# Altium PCB BowieGlove.PcbDoc (part 1 of 2)
Units mil, origin at the board's own origin, x right, y up, seen from the top; angles counter-clockwise.
Board outline 2716.54 x 2322.83 mil, 4 copper layers (Top Layer, Int1 (GND), Int2 (PWR), Bottom Layer), stack 53.912 mil thick; 103 components, 61 nets, 398 pads, 190 vias.
Unrouted connection lines stored in the file: 124.
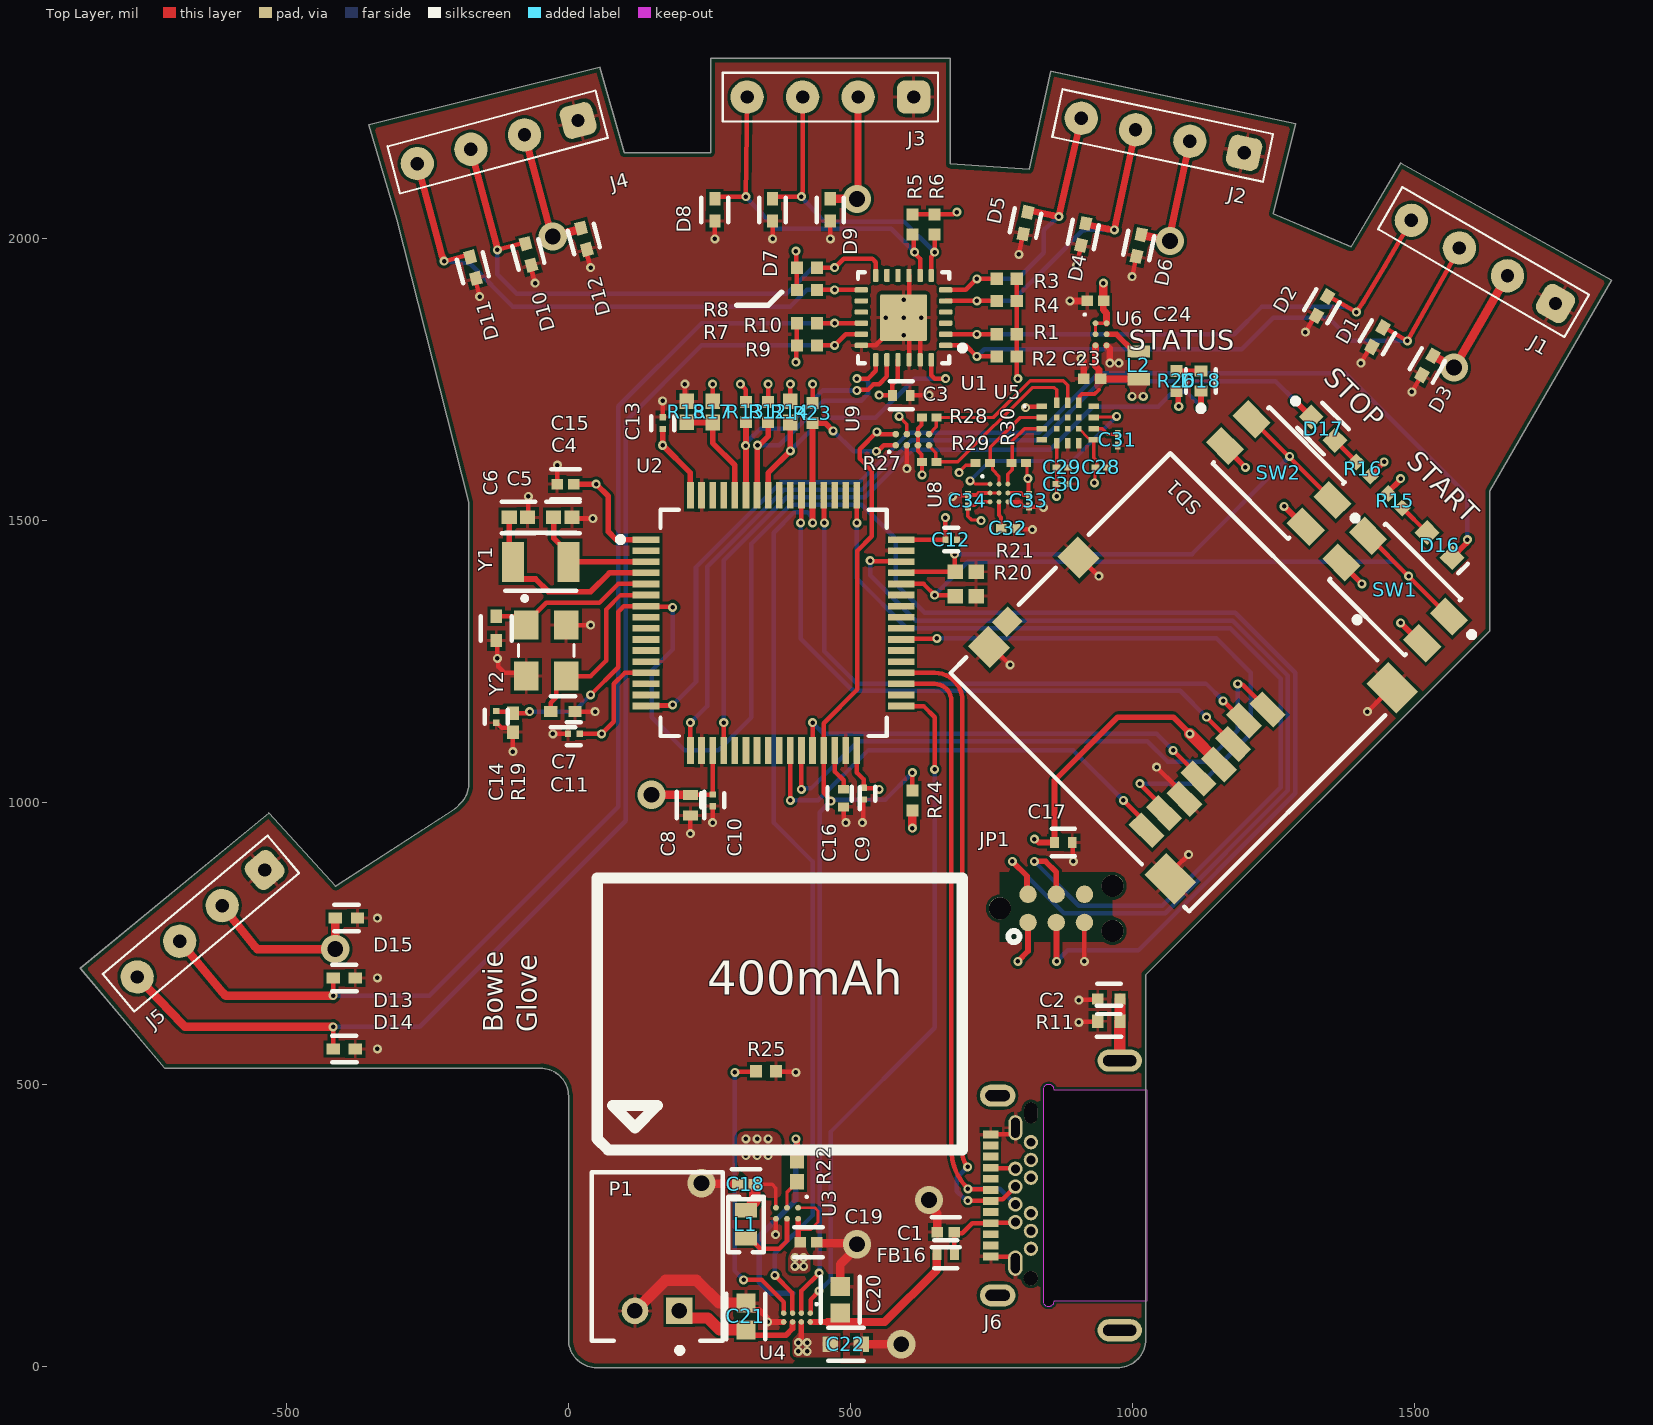
[diagram p0: Top Layer view]
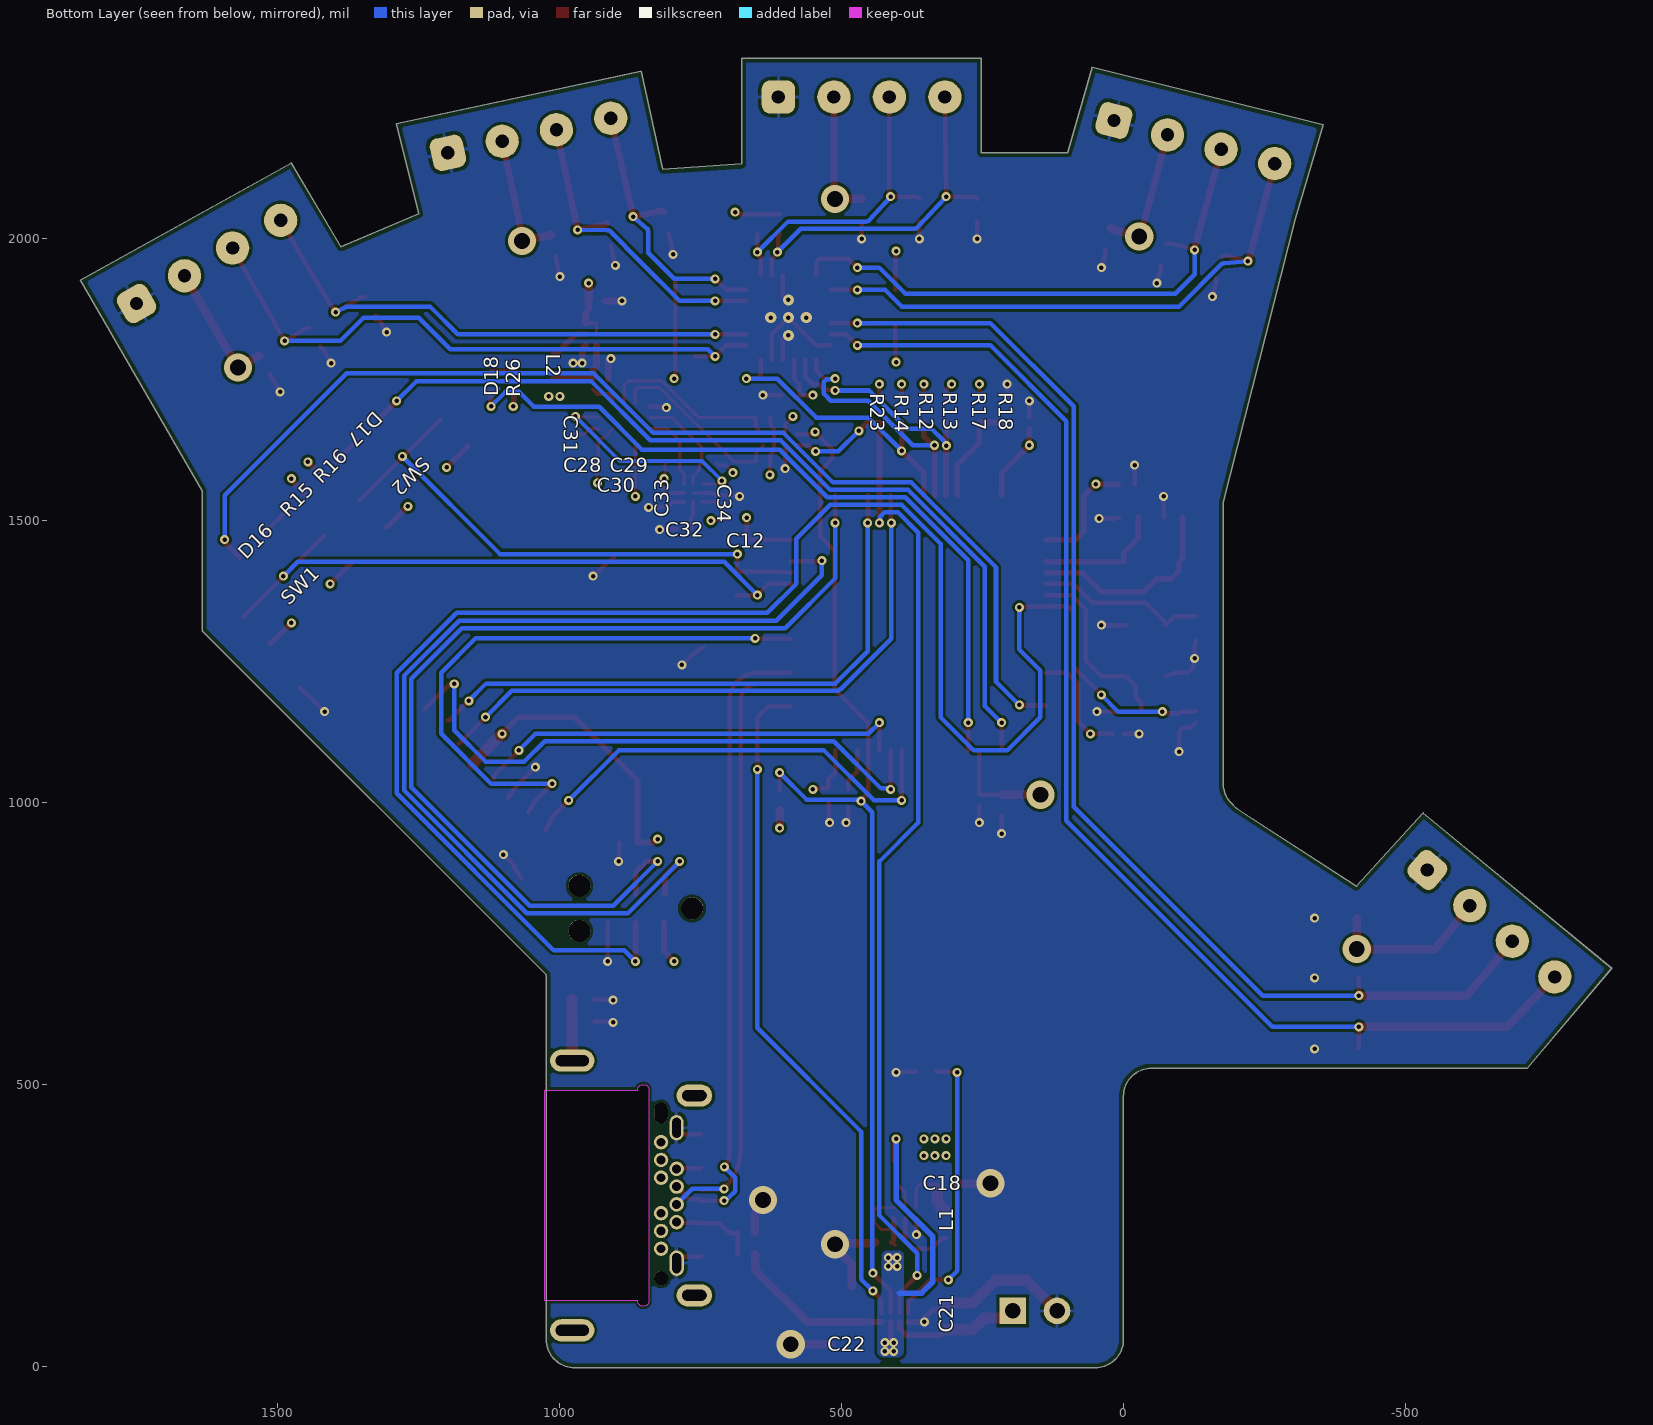
[diagram p1: Bottom Layer view, seen from below]
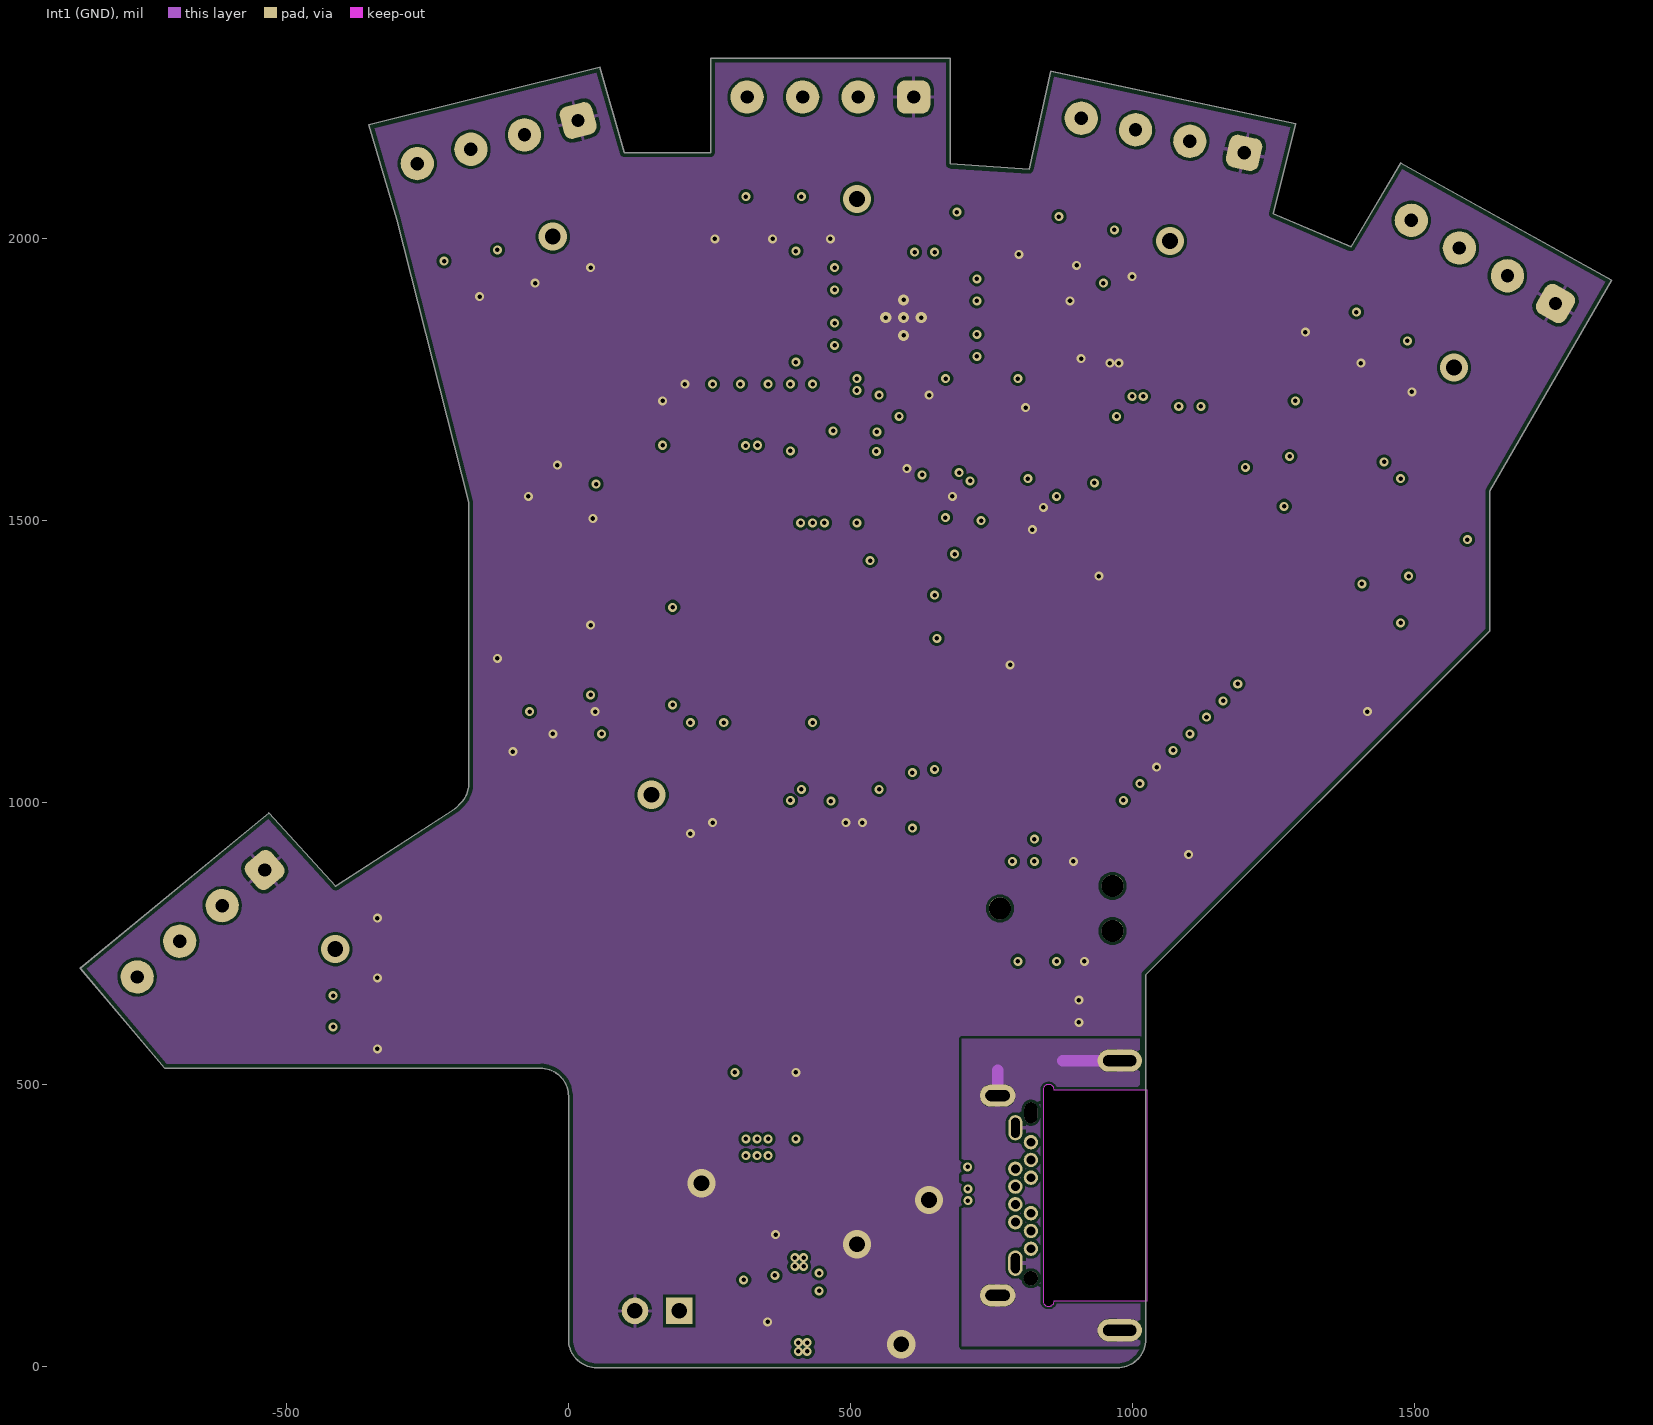
[diagram p2: Int1 (GND)]
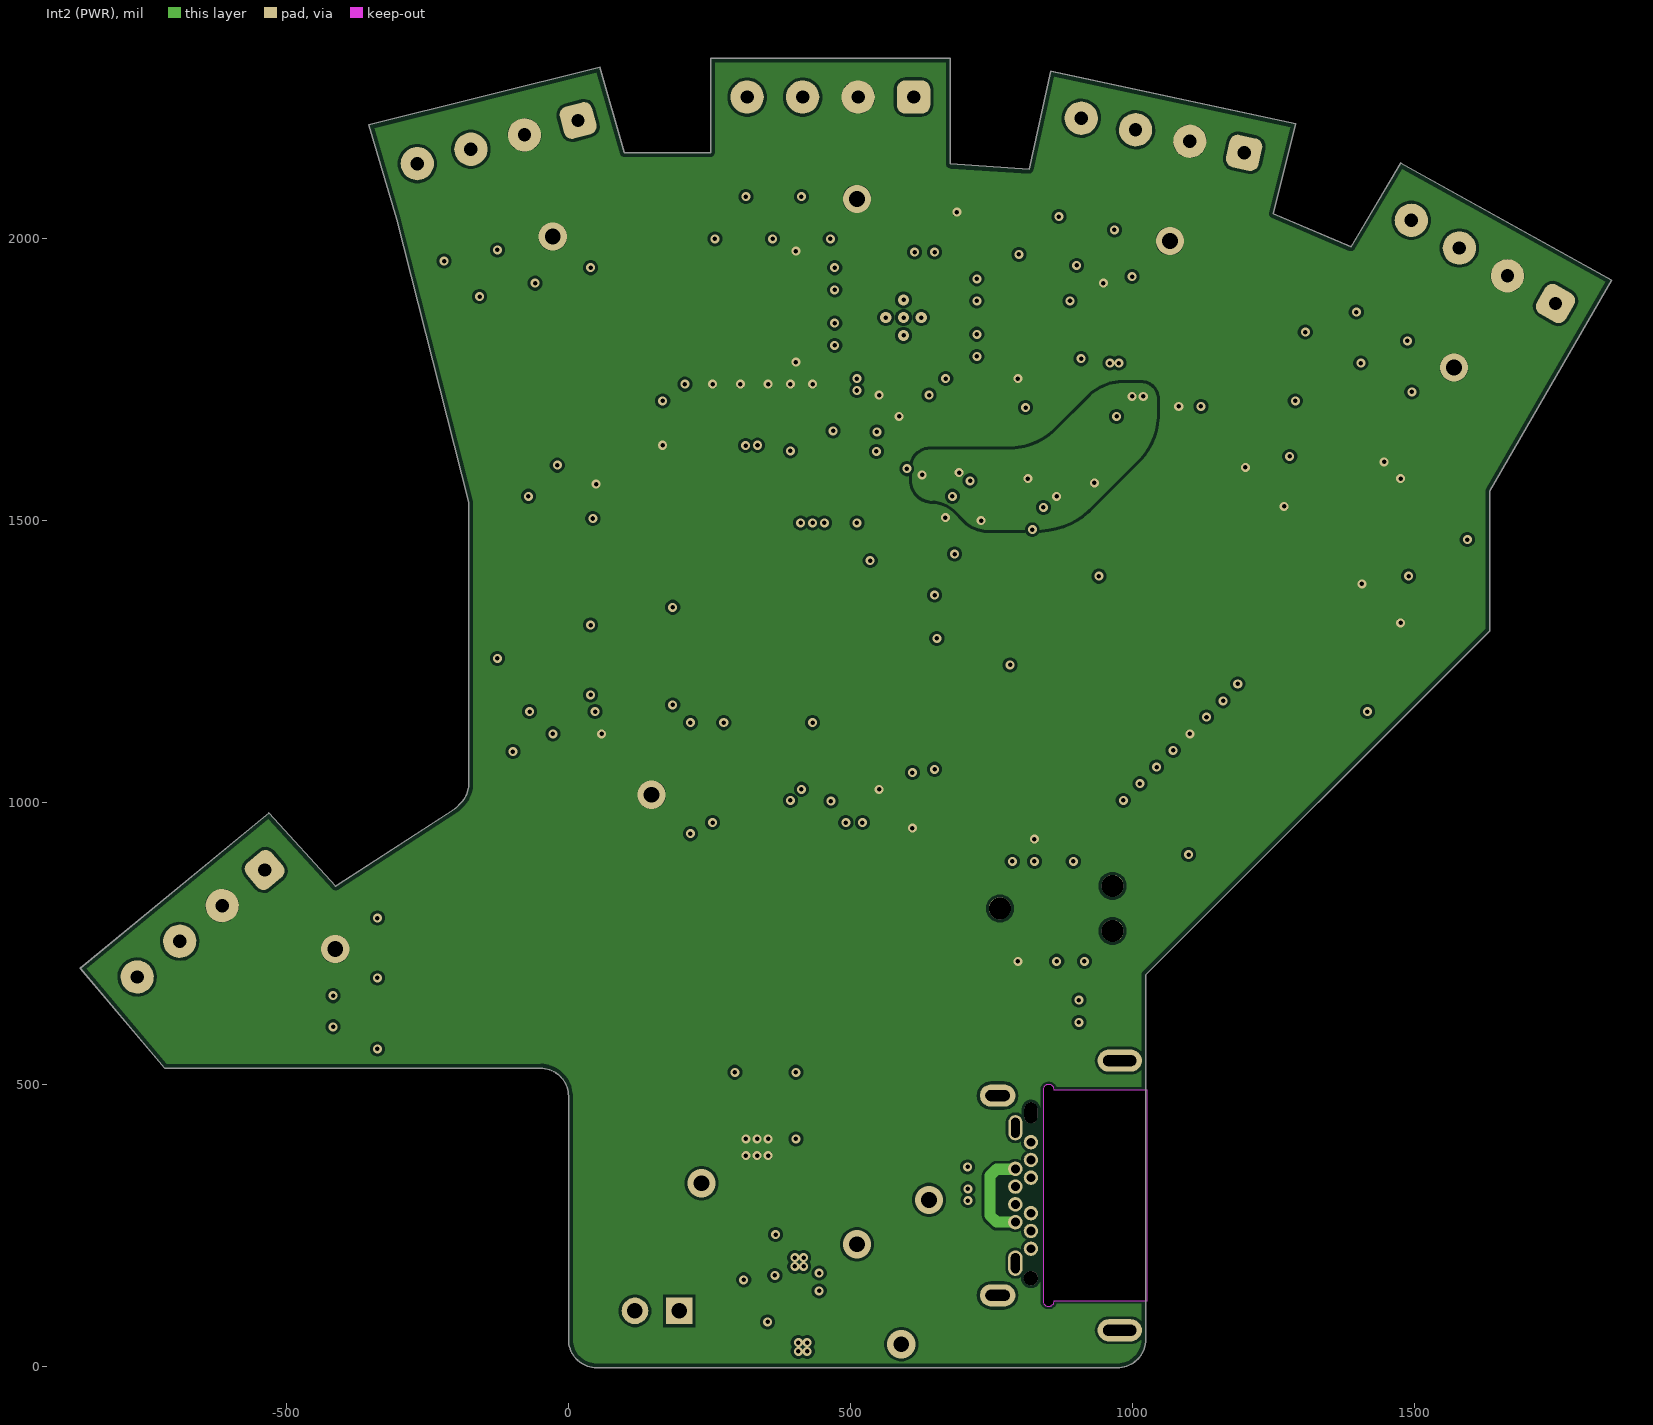
[diagram p3: Int2 (PWR)]
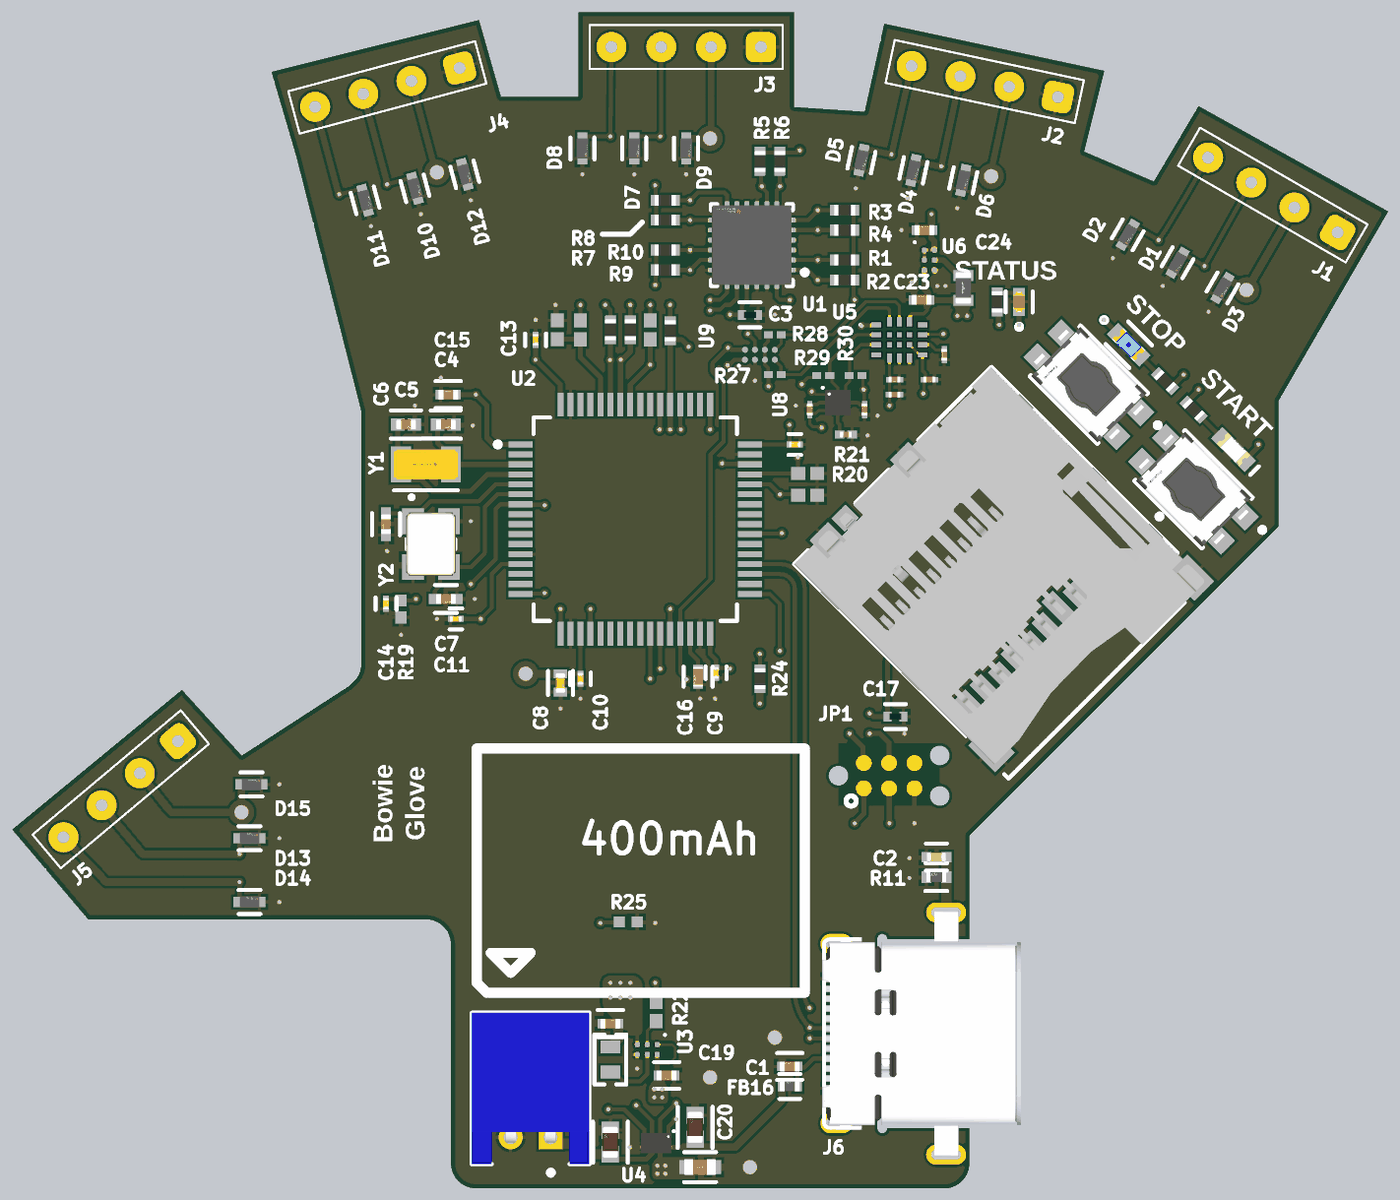
[diagram p5: 3D render of the assembled board from above, using the file's embedded part models]

## Layer stack, top to bottom
Top Solder: solder mask 1, SM-001, Dk 4
Top Layer: signal copper 1.378
Dielectric 1: prepreg 5.1, PP-017, Dk 4.3
Dielectric 2: prepreg 5.1, PP-017, Dk 4.3
Int1 (GND): signal copper 1.378
Dielectric 3: core 28, Core-039, Dk 4.8
Int2 (PWR): signal copper 1.378
Dielectric 4: prepreg 5.1, PP-017, Dk 4.3
Dielectric 5: prepreg 5.1, PP-017, Dk 4.3
Bottom Layer: signal copper 1.378
Bottom Solder: solder mask 1, SM-001, Dk 4

## Board outline
-49.68,528.98 cw(c-49.68,478.98) 0.32,478.98 0.32,47.48 ccw(c50.32,47.48) 50.32,-2.52 973.94,-2.52 ccw(c973.94,47.48) 1023.94,47.48 1023.94,694.33 1634.17,1304.57 1634.17,1552.6 1850.71,1926.61 1476.32,2134.61 1388.11,1985.67 1250.32,2044.72 1290.19,2204.2 1290.12,2204.22 855.89,2297.27 855.87,2297.27 817.24,2123.46 677.48,2132.78 677.48,2320.31 252.28,2320.31 252.28,2152.99 98.74,2152.99 55.43,2304.57 -354.02,2202.2 -304.8,2034.88 -176.85,1532.91 -176.85,1031.73 cw(c-221.52,1031.73) -189.93,1000.14 -200.47,989.61 -413.07,851.81 -531.18,981.73 -865.83,706.14 -716.22,528.98

## Design rules (kind name [scope] priority, off if disabled: settings)
BoardOutlineClearance [IsPolygon] p1: gap=8 ignorepadtopadclearanceinfootprint=FALSE
Clearance [All] p1: gap=5 ignorepadtopadclearanceinfootprint=FALSE
HoleSize [All] p1: absolutevalues=TRUE maxlimit=100 minlimit=7 maxpercent=80.000 minpercent=20.000
HoleToHoleClearance [All] p1: gap=6 allowstackedmicrovias=TRUE
PlaneClearance [All] p1: clearance=10
PlaneConnect [All] p1: planeconnectstyle=Direct reliefexpansion=20 reliefentries=4 reliefconductorwidth=10 reliefairgap=10
PolygonConnect [All vs InNet('GND')] p1: thpad.connectstyle=Relief thpad.reliefconductorwidth=6 thpad.reliefentries=4 thpad.polygonreliefangle="90 Angle" thpad.airgapwidth=6 smdpad.connectstyle=Relief smdpad.reliefconductorwidth=6 smdpad.reliefentries=4 smdpad.polygonreliefangle="90 Angle" smdpad.airgapwidth=6 via.connectstyle=Direct via.reliefconductorwidth=6 via.reliefentries=4 via.polygonreliefangle="90 Angle" via.airgapwidth=6
RoutingVias [All] p1: holewidth=8 width=15 viastyle="Through Hole" minholewidth=8 minwidth=15 maxholewidth=50 maxwidth=100
SolderMaskExpansion [IsVia] p1: expansion=4 istentingtop=TRUE
SupplyNets "Schematic Supply Nets_4" [InNet('3V3')] p1: voltage=0.000
SupplyNets "Schematic Supply Nets_3" [InNet('1V8')] p2: voltage=0.000
SupplyNets "Schematic Supply Nets_2" [InNet('VBUS')] p3: voltage=0.000
SupplyNets "Schematic Supply Nets_1" [InNet('VSYS')] p4: voltage=0.000
SupplyNets "Schematic Supply Nets" [InNet('GND')] p5: voltage=0.000
Width [All] p1: maxlimit=50 minlimit=5 preferedwidth=10
26 further rules are at their usual default settings.

## Classes and differential pairs
component class BOWIE_IMU: C23 C24 C28 C29 C30 C31 C32 C33 C34 L2 R27 R28 R29 R30 U5 U6 U8 U9
component class USER_IO: C17 JP1 R20 R21 SD1 SW1 SW2
component class TETHER_CONNECTOR: C1 C2 FB16 J6 R11
component class POWER_LIPO: C20 C21 C22 P1 R23 R24 R25 U4
component class BOWIE_POWER: C18 C19 L1 R22 U3
component class BOWIE_MCU: C4 C5 C6 C7 C8 C9 C10 C11 C12 C13 C14 C15 C16 D16 D17 D18 R15 R16 R17 R18 R19 R26 U2 Y1 Y2
component class BOWIE_FINGERS: C3 R12 R13 R14 U1
component class BOWIE_CONNECTORS: D1 D2 D3 D4 D5 D6 D7 D8 D9 D10 D11 D12 D13 D14 D15 J1 J2 J3 J4 J5 R1 R2 R3 R4 R5 R6 R7 R8 R9 R10
